# Altium PCB MFC-Card-Template.PcbDoc (part 2 of 4) (continued)
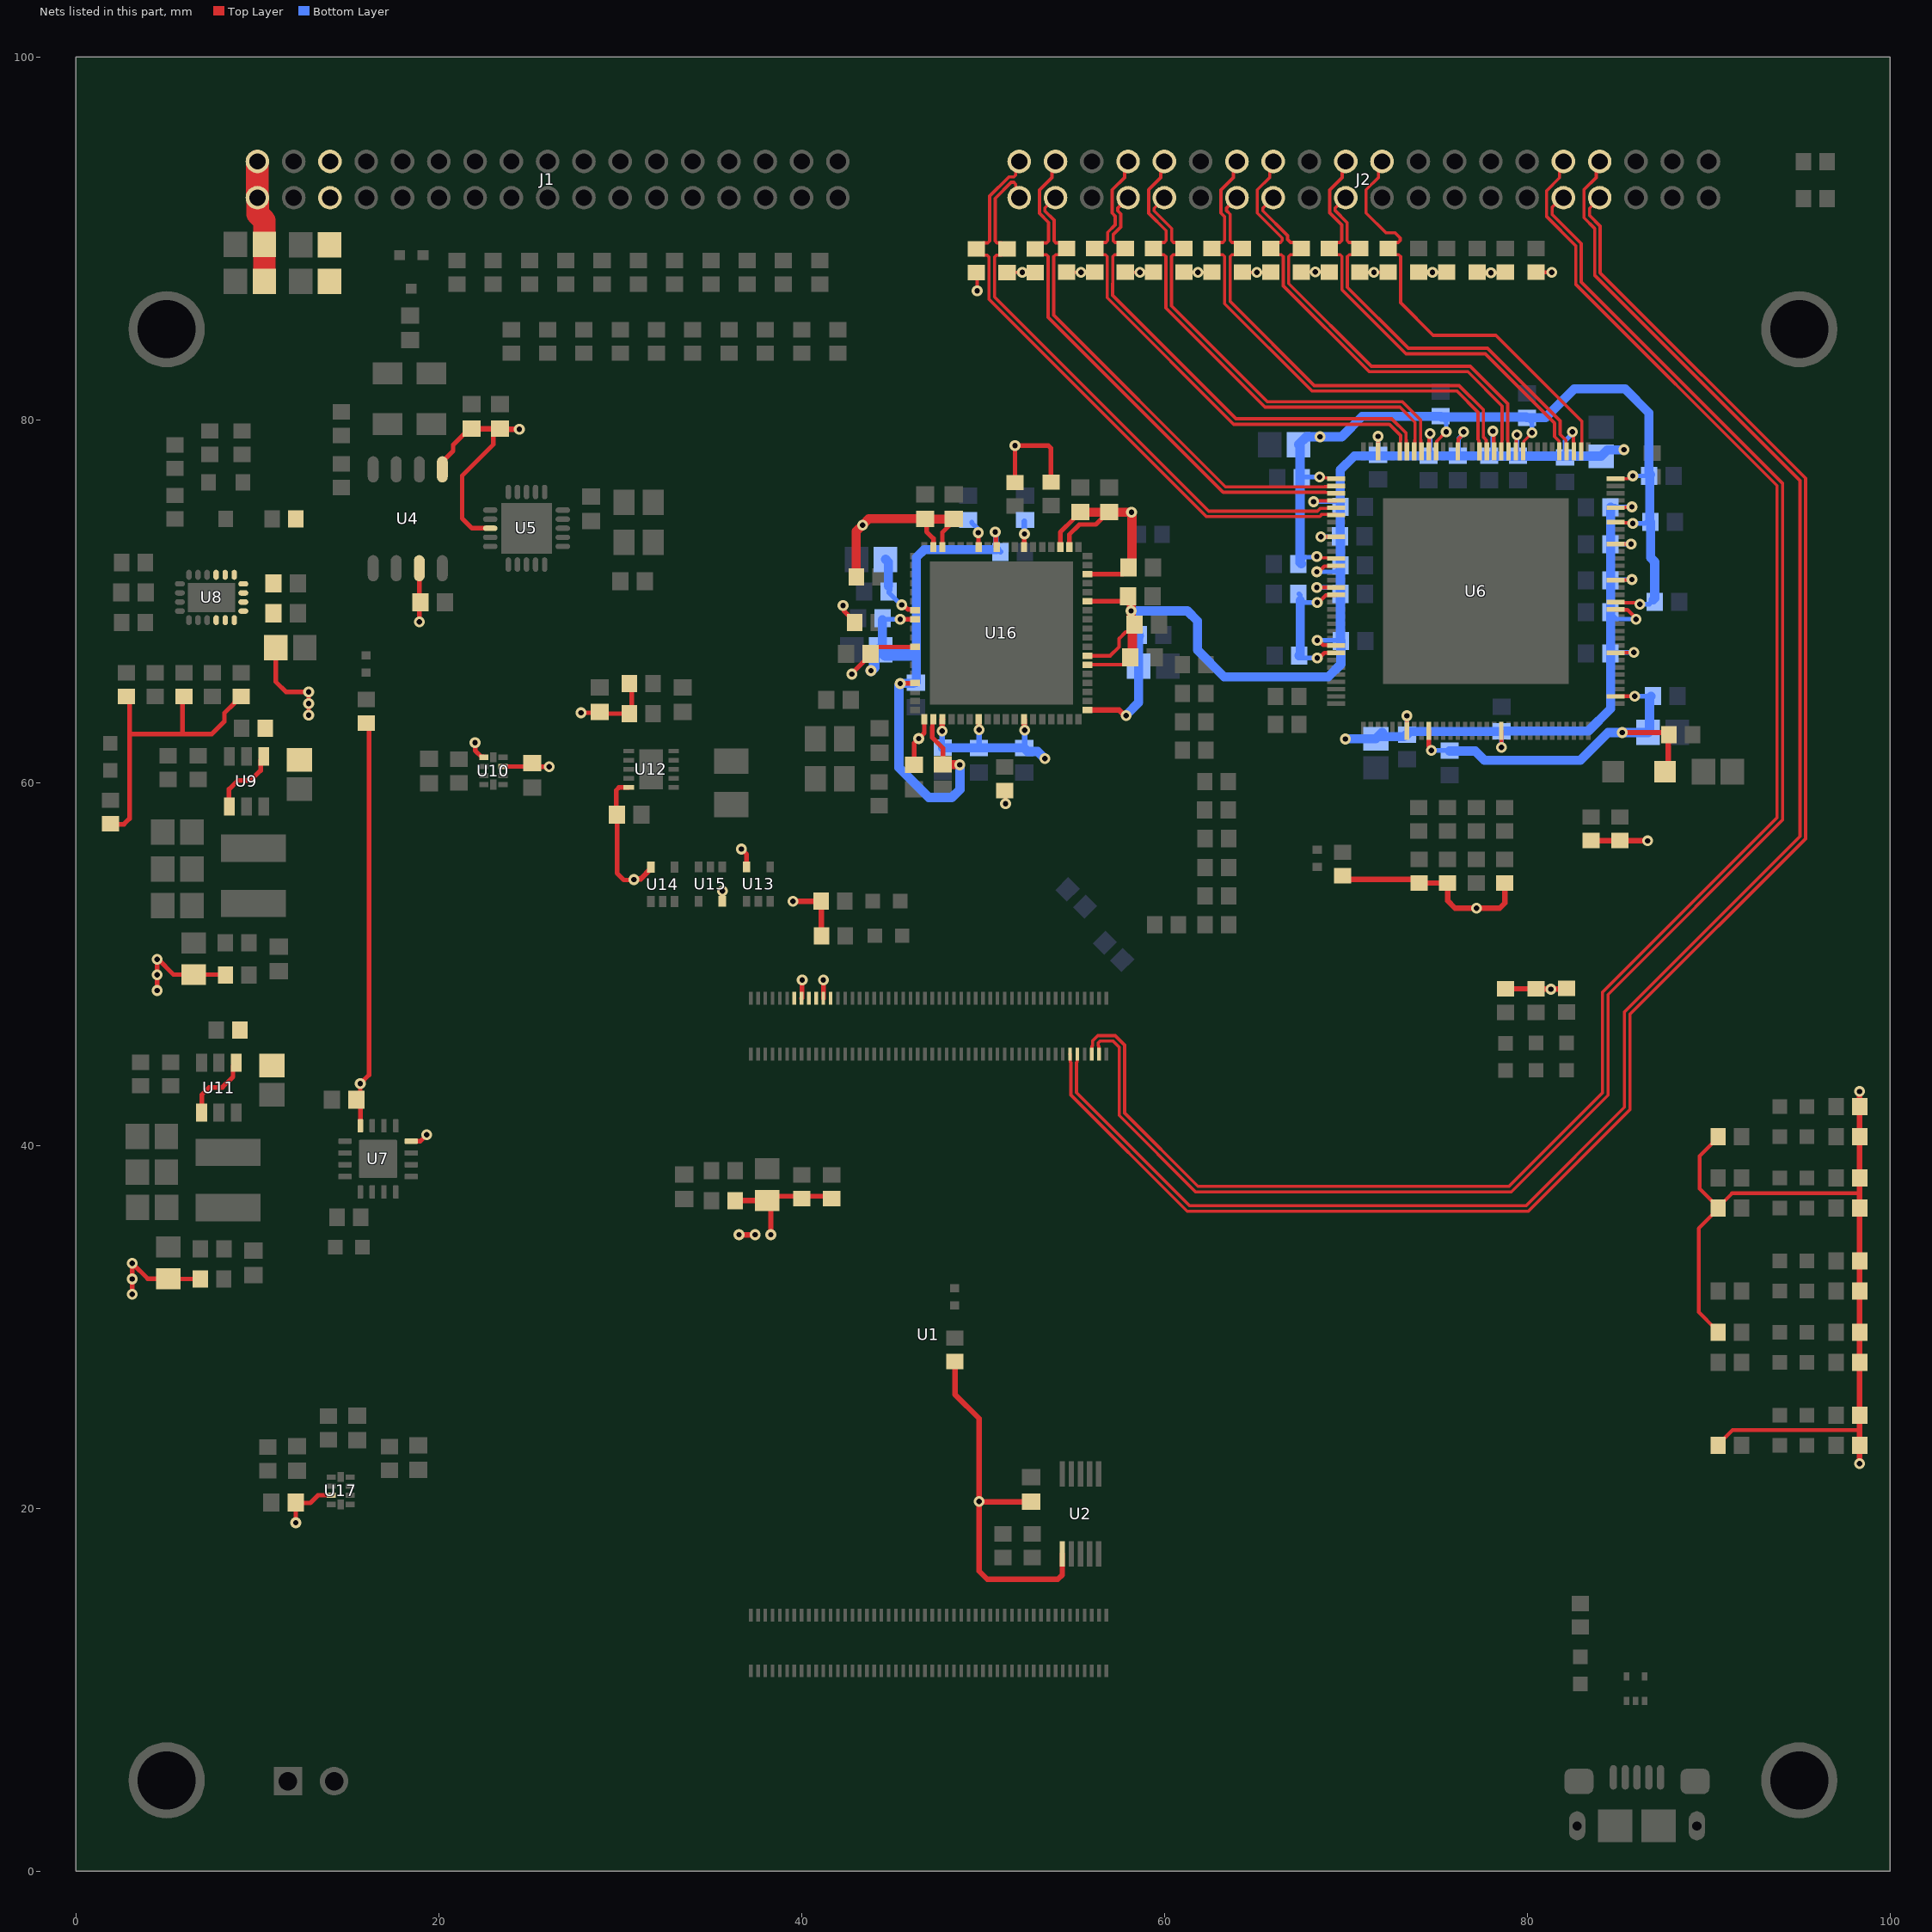
[diagram p4: the nets of this part, all layers, seen from the top]
## Part data (continued)
R115: library part ERJ-L06UF75MV, "RES 0.075 OHM 1% 1/4W 0805", Device Package="0805 (2012 Metric)", Manufacturer="Panasonic Electronic Components", Operating Temperature="-55°C ~ 125°C", Power (Watts)="0.25W, 1/4W", Ratings=AEC-Q200, Supplier Device Package=0805, Supplier Part Number 1=P75LLCT-ND, Temperature Coefficient=±100ppm/°C, Tolerance=±1%, ComponentLink1Description=Datasheet, ComponentLink1URL=https://industrial.panasonic.com/cdbs/www-data/pdf/RDN0000/AOA0000C313.pdf, ComponentLink2Description="DigiKey Link", ComponentLink2URL=http://digikey.com/product-detail/en/panasonic-electronic-components/ERJ-L06UF75MV/P75LLCT-ND/966124, Composition="Thick Film", Features="Automotive AEC-Q200, Current Sense", Height - Seated (Max)="0.028\" (0.70mm)", LastUpdated="9/2/2020 1:15:15 AM", Lifecycle Status=Active, Minimum Order=1, Number of Terminations=2, Package / Case="0805 (2012 Metric)", Packaging=TapeAndReel, PartId=31851, Part Number=ERJ-L06UF75MV, Part Status=Active, Price=0.09, Resistance="75 mOhms", Series=ERJ, Size / Dimension="0.079\" L x 0.049\" W (2.00mm x 1.25mm)", Supplier 1=DigiKey
R121 R122: library part RMCF0603FT4K70, "RES 4.7K OHM 1% 1/10W 0603", Device Package="0603 (1608 Metric)", Manufacturer="Stackpole Electronics Inc", Operating Temperature="-55°C ~ 155°C", Power (Watts)="0.1W, 1/10W", Ratings=AEC-Q200, Supplier Device Package=0603, Supplier Part Number 1=RMCF0603FT4K70CT-ND, Temperature Coefficient=±100ppm/°C, Tolerance=±1%, ComponentLink1Description=Datasheet, ComponentLink1URL=https://www.seielect.com/catalog/sei-rmcf_rmcp.pdf, ComponentLink2Description="DigiKey Link", ComponentLink2URL=http://digikey.com/product-detail/en/stackpole-electronics-inc/RMCF0603FT4K70/RMCF0603FT4K70CT-ND/1943033, Composition="Thick Film", Features="Automotive AEC-Q200", Height - Seated (Max)="0.022\" (0.55mm)", LastUpdated="9/2/2020 1:10:22 AM", Lifecycle Status=Active, Minimum Order=1, Number of Terminations=2, Package / Case="0603 (1608 Metric)", Packaging=CutTape, PartId=6078, Part Number=RMCF0603FT4K70, Part Status=Active, Price=0.10, Resistance="4.7 kOhms", Series=RMCF, Size / Dimension="0.061\" L x 0.031\" W (1.55mm x 0.80mm)", Supplier 1=DigiKey
R125 R126 R147: library part RMCF0603JT470R, "RES 470 OHM 5% 1/10W 0603", Device Package="0603 (1608 Metric)", Manufacturer="Stackpole Electronics Inc", Operating Temperature="-55°C ~ 155°C", Power (Watts)="0.1W, 1/10W", Ratings=AEC-Q200, Supplier Device Package=0603, Supplier Part Number 1=RMCF0603JT470RCT-ND, Temperature Coefficient=±200ppm/°C, Tolerance=±5%, ComponentLink1Description=Datasheet, ComponentLink1URL=https://www.seielect.com/catalog/sei-rmcf_rmcp.pdf, ComponentLink2Description="DigiKey Link", ComponentLink2URL=http://digikey.com/product-detail/en/stackpole-electronics-inc/RMCF0603JT470R/RMCF0603JT470RCT-ND/1943166, Composition="Thick Film", Features="Automotive AEC-Q200", Height - Seated (Max)="0.022\" (0.55mm)", LastUpdated="9/2/2020 1:10:23 AM", Lifecycle Status=Active, Minimum Order=1, Number of Terminations=2, Package / Case="0603 (1608 Metric)", Packaging=CutTape, PartId=5857, Part Number=RMCF0603JT470R, Part Status=Active, Price=0.10, Resistance="470 Ohms", Series=RMCF, Size / Dimension="0.061\" L x 0.031\" W (1.55mm x 0.80mm)", Supplier 1=DigiKey
R127 R128: library part RMCF0603JT510K, "RES 510K OHM 5% 1/10W 0603", Device Package="0603 (1608 Metric)", Manufacturer="Stackpole Electronics Inc", Operating Temperature="-55°C ~ 155°C", Power (Watts)="0.1W, 1/10W", Ratings=AEC-Q200, Supplier Device Package=0603, Supplier Part Number 1=RMCF0603JT510KCT-ND, Temperature Coefficient=±200ppm/°C, Tolerance=±5%, ComponentLink1Description=Datasheet, ComponentLink1URL=https://www.seielect.com/catalog/sei-rmcf_rmcp.pdf, ComponentLink2Description="DigiKey Link", ComponentLink2URL=http://digikey.com/product-detail/en/stackpole-electronics-inc/RMCF0603JT510K/RMCF0603JT510KCT-ND/6053186, Composition="Thick Film", Features="Automotive AEC-Q200", Height - Seated (Max)="0.022\" (0.55mm)", LastUpdated="9/2/2020 1:10:01 AM", Lifecycle Status=Active, Minimum Order=1, Number of Terminations=2, Package / Case="0603 (1608 Metric)", Packaging=CutTape, PartId=15991, Part Number=RMCF0603JT510K, Part Status=Active, Price=0.10, Resistance="510 kOhms", Series=RMCF, Size / Dimension="0.061\" L x 0.031\" W (1.55mm x 0.80mm)", Supplier 1=DigiKey
R130 R132: library part RMCF0603FT330R, "RES 330 OHM 1% 1/10W 0603", Device Package="0603 (1608 Metric)", Manufacturer="Stackpole Electronics Inc", Operating Temperature="-55°C ~ 155°C", Power (Watts)="0.1W, 1/10W", Ratings=AEC-Q200, Supplier Device Package=0603, Supplier Part Number 1=RMCF0603FT330RCT-ND, Temperature Coefficient=±100ppm/°C, Tolerance=±1%, ComponentLink1Description=Datasheet, ComponentLink1URL=https://www.seielect.com/catalog/sei-rmcf_rmcp.pdf, ComponentLink2Description="DigiKey Link", ComponentLink2URL=http://digikey.com/product-detail/en/stackpole-electronics-inc/RMCF0603FT330R/RMCF0603FT330RCT-ND/1942981, Composition="Thick Film", Features="Automotive AEC-Q200", Height - Seated (Max)="0.022\" (0.55mm)", LastUpdated="9/2/2020 1:10:13 AM", Lifecycle Status=Active, Minimum Order=1, Number of Terminations=2, Package / Case="0603 (1608 Metric)", Packaging=CutTape, PartId=10615, Part Number=RMCF0603FT330R, Part Status=Active, Price=0.10, Resistance="330 Ohms", Series=RMCF, Size / Dimension="0.061\" L x 0.031\" W (1.55mm x 0.80mm)", Supplier 1=DigiKey
R133: library part RMCF0603FT200R, "RES 200 OHM 1% 1/10W 0603", Device Package="0603 (1608 Metric)", Manufacturer="Stackpole Electronics Inc", Operating Temperature="-55°C ~ 155°C", Power (Watts)="0.1W, 1/10W", Ratings=AEC-Q200, Supplier Device Package=0603, Supplier Part Number 1=RMCF0603FT200RCT-ND, Temperature Coefficient=±100ppm/°C, Tolerance=±1%, ComponentLink1Description=Datasheet, ComponentLink1URL=https://www.seielect.com/catalog/sei-packaging.pdf, ComponentLink2Description="DigiKey Link", ComponentLink2URL=http://digikey.com/product-detail/en/stackpole-electronics-inc/RMCF0603FT200R/RMCF0603FT200RCT-ND/1942972, Composition="Thick Film", Features="Automotive AEC-Q200", Height - Seated (Max)="0.022\" (0.55mm)", LastUpdated="9/2/2020 1:10:13 AM", Lifecycle Status=Active, Minimum Order=1, Number of Terminations=2, Package / Case="0603 (1608 Metric)", Packaging=CutTape, PartId=10703, Part Number=RMCF0603FT200R, Part Status=Active, Price=0.10, Resistance="200 Ohms", Series=RMCF, Size / Dimension="0.061\" L x 0.031\" W (1.55mm x 0.80mm)", Supplier 1=DigiKey
R136 R137 R138: library part RMCF0603FT10K0, "RES 10K OHM 1% 1/10W 0603", Device Package="0603 (1608 Metric)", Manufacturer="Stackpole Electronics Inc", Operating Temperature="-55°C ~ 155°C", Power (Watts)="0.1W, 1/10W", Ratings=AEC-Q200, Supplier Device Package=0603, Supplier Part Number 1=RMCF0603FT10K0CT-ND, Temperature Coefficient=±100ppm/°C, Tolerance=±1%, ComponentLink1Description=Datasheet, ComponentLink1URL=https://www.seielect.com/catalog/sei-rmcf_rmcp.pdf, ComponentLink2Description="DigiKey Link", ComponentLink2URL=http://digikey.com/product-detail/en/stackpole-electronics-inc/RMCF0603FT10K0/RMCF0603FT10K0CT-ND/1943057, Composition="Thick Film", Features="Automotive AEC-Q200", Height - Seated (Max)="0.022\" (0.55mm)", LastUpdated="9/2/2020 1:09:31 AM", Lifecycle Status=Active, Minimum Order=1, Number of Terminations=2, Package / Case="0603 (1608 Metric)", Packaging=CutTape, PartId=25663, Part Number=RMCF0603FT10K0, Part Status=Active, Price=0.10, Resistance="10 kOhms", Series=RMCF, Size / Dimension="0.061\" L x 0.031\" W (1.55mm x 0.80mm)", Supplier 1=DigiKey
R139 R140 R141: library part TMP6131DECR, "SENSOR PTC 10KOHM 1% X1SON", Device Package="0402 (1006 Metric)", Manufacturer="Texas Instruments", Operating Temperature="-40°C ~ 125°C (TA)", Resistance Tolerance=±1%, Supplier Device Package="2-X1SON (1x.60)", Supplier Part Number 1=296-TMP6131DECRCT-ND, ComponentLink1Description=Datasheet, ComponentLink1URL=http://www.ti.com/general/docs/suppproductinfo.tsp?distId=10&gotoUrl=http%3A%2F%2Fwww.ti.com%2Flit%2Fgpn%2Ftmp61, ComponentLink2Description="DigiKey Link", ComponentLink2URL=http://digikey.com/product-detail/en/texas-instruments/TMP6131DECR/296-TMP6131DECRCT-ND/10435285, LastUpdated="9/2/2020 1:30:57 AM", Lifecycle Status=Active, Minimum Order=1, Mounting Type="Surface Mount", Package / Case="0402 (1006 Metric)", Packaging=TapeAndReel, Part Number=TMP6131DECR, Part Status=Active, Price=0.07, Resistance @ 25°C="10 kOhms", Series=Commercial, Supplier 1=DigiKey
U2: library part CMP-07103-000004-1, "IC USB SWITCH DPDT 10MSOP", Case/Package=MSOP, Current=100mA, Max Operating Temperature=85°C, Max Supply Voltage=4.3V, Min Operating Temperature=-40°C, Min Supply Voltage=3V, On-State Resistance=6.5R, Package Quantity=1, Data Rate=480Mbps, Height=0.85mm, Lead Free="Lead Free", Length=3mm, Mount="Surface Mount", Number of Channels=2, Number of Inputs=2, Number of Outputs=4, Number of Pins=10, Operating Supply Voltage=4.3V, Packaging="Tape and Reel", Radiation Hardening=No, REACH SVHC="No SVHC", Supply Type=Single, Throw Configuration=DPDT, Voltage=4.3V, Weight=0.1125g, Width=3mm
U3: library part CMP-0326-00052-4, "TVS DIODE 5.5V SOT5", Breakdown Voltage=11V, Capacitance=1.5pF, Case/Package=SOT-553, Clamping Voltage=105.5V, Leakage Current=1nA, Max Operating Temperature=85°C, Max Supply Current=100nA, Max Supply Voltage=5.5V, Min Operating Temperature=-40°C, Min Supply Voltage=900mV, Package Quantity=1, Peak Pulse Power=90W, Power Line Protection=Yes, Depth=1.2mm, Direction=Unidirectional, Height=0.55mm, Interface=USB, Lead Free="Lead Free", Length=1.6mm, Max Supply Voltage (DC)=5.5V, Min Breakdown Voltage=11V, Min Supply Voltage (DC)=900mV, Nominal Supply Current=1nA, Number of Bidirectional Channels=3, Number of Channels=3, Number of Pins=5, Packaging="Tape and Reel", Radiation Hardening=No, REACH SVHC="No SVHC", Reverse Standoff Voltage=5.5V, RoHS Compliant=Yes, Termination=SMD/SMT, Weight=9.9E-05oz, Width=1.2mm
U4: Supplier Part Number 1=296-44228-1-ND, Supplier 1=Digi-Key
U5: library part CMP-0186-00186-2, "IC CAN CTLR W/SPI 2.0B 20-QFN", Case/Package=QFN, Max Operating Temperature=85°C, Max Supply Current=10mA, Max Supply Voltage=5.5V, Min Operating Temperature=-40°C, Min Supply Voltage=2.7V, Package Quantity=3300, Contact Plating=Tin, Data Rate=1000Kbps, Interface=SPI, Lead Free="Lead Free", Mount="Surface Mount", Nominal Supply Current=10mA, Number of Pins=20, Number of Transceivers=1, Packaging="Tape and Reel", Radiation Hardening=No
U6: Supplier Part Number 1=KSZ9896CTXI-ND, Supplier 1=Digi-Key
U7: library part CMP-0704-00002-2, "Triple Channel Shunt and Bus Voltage Monitor, 120 dB, 2.7 to 5.5 V, -40 to 125 degC, 16-Pin VQFN (RGV), Green (RoHS & no Sb/Br), Tape and Reel", Manufacturer="Texas Instruments", Offset Voltage (max)="+/- 80 uV", Operating Supply Range="2.7 to 5.5 V", Quiescent Current (Typ)="350 uA", Rating=Catalog, Temperature Range="-40 to 125 degC", Voltage Input Range (Bus)="0 to 26 V", CMR (Typ)="120 dB", ComponentLink1Description="Manufacturer URL", ComponentLink1URL=http://www.ti.com/, ComponentLink2Description=Datasheet, ComponentLink2URL=http://www.ti.com/lit/ds/symlink/ina3221.pdf, ComponentLink3Description="Package Specification", ComponentLink3URL=http://www.ti.com/lit/ds/symlink/ina3221.pdf, DatasheetVersion=SBOS576A, Gain="1 V/V", Gain Error (max)=0.25%, Mounting Technology="Surface Mount", PackageDescription="16-Pin Quad Flat No-lead Package, Body 4 x 4 mm, Pitch 0.65 mm", PackageReference=RGV0016A, PackageVersion=SBOS576A, Packing="Tape and Reel", PartNumber=INA3221AIRGVT, RoHS=TRUE
U8: Supplier Part Number 1=296-40735-1-ND, Supplier 1=Digi-Key
U9 U11: Supplier Part Number 1=296-47088-1-ND, Supplier 1=Digi-Key
U10: Supplier Part Number 1=296-51660-1-ND, Supplier 1=Digi-Key
U12: library part CMP-10083-000009-1, "IC RTC CLK/CALENDAR I2C 10-SON", Ambient Temperature Range High=+85°C, Ambient Temperature Range Low=-40°C, Frequency=0.001/1.024/2.048/4.096/8.192/16.384/32.768kHz, Manufacturer="NXP Semiconductors", Max Supply Voltage=5.5V, Min Supply Voltage=0.9V, Nominal Supply Current=18uA, Package=SOT1197-1, Temperature="-40°C to +85°C", Automotive=No, Category=IC, ComponentLink2Description=Datasheet, ComponentLink2URL=https://www.nxp.com/docs/en/data-sheet/PCF85063A.pdf, Device Class L1="Integrated Circuits (ICs)", Device Class L2="Clock and Timing", Device Class L3="Real Time Clocks", Digikey Description="IC RTC CLK/CALENDAR I2C 10-SON", Footprint Url=https://www.nxp.com/docs/en/package-information/SOT1197-1.pdf, Height=0.5mm, Interface=I2C, Ipc Land Pattern Name=DFN260X260X50-10, Lead Free=Yes, Manufacturer Part Number=PCF85063ATL/1,118, Mouser Description="Tiny Real-Time Clock/calendar With Alarm Function And I2C-Bus Rohs Compliant: Yes", Number of Outputs=1, Octopart=https://octopart.com/pcf85063atl%2F1%2C118-nxp+semiconductors-27552710, RoHS=TRUE, Standoff Height=0mm, Temperature Range High=+85°C, Temperature Range Low=-40°C
U13 U14 U15: library part CMP-12739-000001-1, "IC BUF NON-INVERT 5.5V SOT353", Ambient Temperature Range High=+125°C, Ambient Temperature Range Low=-40°C, Manufacturer="Diodes Inc.", Max Junction Temp=+150°C, Max Supply Voltage=5.5V, Min Supply Voltage=1.65V, Nominal Supply Current=0.1uA, Package=SOT353, Temperature="-40°C to +125°C", Automotive=No, Category=IC, ComponentLink2Description=Datasheet, ComponentLink2URL=https://www.diodes.com/assets/Datasheets/74LVC1G07.pdf, Device Class L1="Integrated Circuits (ICs)", Device Class L2="Logic ICs", Device Class L3=Buffers, Digikey Description="IC BUF NON-INVERT 5.5V SOT353", Footprint Url=https://www.diodes.com/assets/Package-Files/SOT353.pdf, Height=1.1mm, Ipc Land Pattern Name=SOT65P210X100-5, Lead Free=Yes, Logic Function Desc=Non-Inverting, Manufacturer Part Number=74LVC1G07SE-7, Mouser Description="74LVC Series 5.5 V Surface Mount Single Buffer with Open Drain Output - SOT-353", Number Of Circuits=1, Number of Inputs=1, Number of Outputs=1, Octopart=https://octopart.com/74lvc1g07se-7-diodes+inc.-18882698, Propagation Delay=1.7ns, RoHS=TRUE, Standoff Height=0mm, Temperature Range High=+125°C, Temperature Range Low=-40°C
U16: Supplier Part Number 1=579-LAN7431/YXX, Supplier 1=Mouser
U17: Supplier Part Number 1=296-48346-1-ND, Supplier 1=Digi-Key
Y1: library part "TSX-3225 16.0000MF10U-B0", "CRYSTAL 16.00 MHZ 16.0PF SMD", ESR (Equivalent Series Resistance)="60 Ohms", Frequency Stability=±10ppm, Load Capacitance=16pF, Manufacturer=EPSON, Operating Mode=Fundamental, Operating Temperature="-10°C ~ 60°C", Package / Case="4-SMD, No Lead", Supplier Part Number 1=SER4370CT-ND, ComponentLink1Description=Datasheet, ComponentLink1URL=https://support.epson.biz/td/api/doc_check.php?dl=brief_TSX-3225&lang=en, ComponentLink2Description="DigiKey Link", ComponentLink2URL=http://digikey.com/product-detail/en/epson/TSX-3225-16.0000MF10U-B0/SER4370CT-ND/7932354, Frequency=16MHz, Frequency Tolerance=±10ppm, Height - Seated (Max)="0.024\" (0.60mm)", LastUpdated="9/2/2020 1:21:55 AM", Lifecycle Status=Active, Minimum Order=1, Mounting Type="Surface Mount", Packaging=TapeAndReel, PartId=436, Part Number="TSX-3225 16.0000MF10U-B0", Part Status=Active, Price=0.18, Series=TSX-3225, Size / Dimension="0.126\" L x 0.098\" W (3.20mm x 2.50mm)", Supplier 1=DigiKey, Type="MHz Crystal"
Y2: library part ABS07-166-32.768KHZ-T, "IOT 32.786KHZ XTAL", ESR (Equivalent Series Resistance)="70 kOhms", Frequency Tolerance=±10ppm, Load Capacitance=7pF, Manufacturer="Abracon LLC", Operating Mode=Fundamental, Operating Temperature="-40°C ~ 85°C", Package / Case="2-SMD, No Lead", Supplier Part Number 1=535-14514-1-ND, ComponentLink1Description=Datasheet, ComponentLink1URL=https://abracon.com/datasheets/ABS07-166-32.768kHz-T.pdf, ComponentLink2Description="DigiKey Link", ComponentLink2URL=http://digikey.com/product-detail/en/abracon-llc/ABS07-166-32.768KHZ-T/535-14514-1-ND/8827205, Frequency=32.768kHz, Height - Seated (Max)="0.035\" (0.90mm)", LastUpdated="9/2/2020 1:21:47 AM", Lifecycle Status=Active, Minimum Order=1, Mounting Type="Surface Mount", Packaging=TapeAndReel, PartId=384, Part Number=ABS07-166-32.768KHZ-T, Part Status=Active, Price=0.35, Series=ABS07, Size / Dimension="0.126\" L x 0.059\" W (3.20mm x 1.50mm)", Supplier 1=DigiKey, Type="kHz Crystal (Tuning Fork)"
Y3: library part "TSX-3225 25.0000MF20P-C0", "CRYSTAL 25.0000MHZ 18PF SMD", ESR (Equivalent Series Resistance)="40 Ohms", Frequency Stability=±20ppm, Frequency Tolerance=±10ppm, Load Capacitance=18pF, Manufacturer=EPSON, Operating Mode=Fundamental, Operating Temperature="-20°C ~ 85°C", Package / Case="4-SMD, No Lead", Supplier Part Number 1=SER4212CT-ND, ComponentLink1Description=Datasheet, ComponentLink1URL=https://support.epson.biz/td/api/doc_check.php?dl=brief_TSX-3225&lang=en, ComponentLink2Description="DigiKey Link", ComponentLink2URL=http://digikey.com/product-detail/en/epson/TSX-3225-25.0000MF20P-C0/SER4212CT-ND/7430967, Frequency=25MHz, Height - Seated (Max)="0.024\" (0.60mm)", LastUpdated="9/2/2020 1:21:54 AM", Lifecycle Status=Active, Minimum Order=1, Mounting Type="Surface Mount", Packaging=TapeAndReel, PartId=447, Part Number="TSX-3225 25.0000MF20P-C0", Part Status=Active, Price=0.18, Series=TSX-3225, Size / Dimension="0.126\" L x 0.098\" W (3.20mm x 2.50mm)", Supplier 1=DigiKey, Type="MHz Crystal"

## Free pads (board coordinates)
  round 4.2 hole 3.2: 11(5,5) 11(5,85) 11(95,5) 11(95,85)

## Via types
v1: diameter 0.6, hole 0.3, Top Layer to Bottom Layer, 682 vias

## Nets (pads, with @x,y where several pads share a name; then routed paths per layer and width w, separated by ;. In a path a pad name is that pad's centre, name@x,y a point inside that pad or via, vN(x,y) a via of type N, cw(c..) or ccw(c..) an arc to the next point about the centre after c; other vN are vias at no path point)
+1.2: C23.2 C24.2 C25.2 C26.2 C27.2 C28.2 C29.2 C30.2 C31.2 C32.2 C41.2 C42.2 C43.2 C44.2 C45.2 C46.2 C47.2 C48.2 C49.2 C50.2 C80.2 C81.2 C82.2 C84.2 C86.2 C87.2 C88.2 C101.2 R115.2 R119.2 U6.3 U6.11 U6.14 U6.19 U6.23 U6.30 U6.36 U6.41 U6.45 U6.48 U6.56 U6.71 U6.84 U6.104 U6.110 U6.114 U6.119 U6.124 U16.2 U16.24 U16.25 U16.31 U16.46 U16.62 U16.69 | length 159.9
  Top Layer w0.203: U16.62@46.256,68.993 U16.62@46.262,69 ; U16.46@50.718,73.044 U16.46@50.762,73 ; U16.25@55.762,67 57.017,67 57.496,67.478 57.496,67.935 57.869,68.309 58.006,68.309 58.064,68.367 C87.2@58.064,68.504 ; U16.24@55.836,66.426 U16.24@55.762,66.5 55.768,66.505 57.92,66.505 C101.2@57.963,66.548 ; v1(68.224,75.489) 68.271,75.536 69.452,75.536 U6.36@69.475,75.559 ; v1(68.402,70.764) 68.405,70.762 69.472,70.762 U6.48@69.475,70.759 ; v1(68.402,71.628) 68.51,71.628 68.817,71.936 69.452,71.936 U6.45@69.475,71.959 ; v1(68.428,67.843) 68.484,67.843 68.745,67.583 69.452,67.583 U6.56@69.475,67.559 ; v1(68.631,73.558) U6.41@69.475,73.559 ; U6.30@71.775,78.259 71.778,78.262 71.778,79.093 v1(71.78,79.096) ; U6.71@73.375,62.859 v1(73.375,63.686) ; U6.23@74.575,78.259 74.598,78.283 74.598,79.196 v1(74.651,79.248) ; U6.19@76.175,78.259 76.198,78.283 76.198,78.936 76.505,79.242 v1(76.505,79.35) ; v1(78.108,79.375) 78.152,79.331 78.152,78.283 U6.14@78.175,78.259 ; U6.84@78.575,62.859 78.581,62.853 78.581,61.957 v1(78.588,61.951) ; U6.11@79.375,78.259 79.398,78.283 79.398,79.128 v1(79.442,79.172) ; v1(82.497,79.35) 82.552,79.295 82.552,78.283 U6.3@82.575,78.259 ; U6.104@84.875,67.159 84.887,67.171 85.866,67.171 v1(85.877,67.183) ; U6.110@84.875,69.559 84.898,69.536 85.531,69.536 86.004,69.063 v1(86.004,69.012) ; U6.114@84.875,71.159 84.896,71.18 85.755,71.18 v1(85.775,71.2) ; U6.119@84.875,73.159 84.879,73.156 85.721,73.156 v1(85.725,73.152) ; U6.124@84.875,75.159 84.898,75.183 85.749,75.183 v1(85.776,75.209)
  Top Layer w0.254: v1(3.099,31.801) v1(3.099,32.639) v1(3.099,33.503) 3.948,32.653 R115.2@5.08,32.653 5.094,32.639 R119.2@6.843,32.639 ; v1(45.434,65.464) 45.452,65.482 46.244,65.482 U16.69@46.262,65.5 ; v1(45.441,69.012) 45.447,69.006 46.243,69.006 U16.62@46.256,68.993 ; U16.2@47.262,63.5 47.214,63.452 47.214,63.085 47.198,63.069 47.198,62.497 47.803,61.892 47.803,61.075 47.727,61 C84.2@47.777,61 ; U16.46@50.718,73.044 v1@50.718,73.787 ; U16.31@55.762,70 57.717,70 C86.2@57.999,70.282
  Top Layer w0.508: C84.2@47.854,61.011 47.872,60.993 48.71,60.993 v1(48.717,60.985) ; C86.2@57.999,70.282 58.177,70.104 v1@58.177,69.469 ; v1(58.166,69.469) v1@58.177,69.469 ; C101.2@58.242,67.132 58.24,67.134 58.24,68.367 58.24,68.593 C87.2@58.355,68.707 ; C87.2@58.318,68.682 58.177,68.823 v1@58.177,69.469
  Bottom Layer w0.254: C81.2@44.592,68.986 44.617,69.012 v1(45.441,69.012) ; v1(68.224,75.489) 69.393,75.489 C28.2@69.444,75.54 ; v1(68.402,70.764) 69.494,70.764 C47.2@69.621,70.637 ; v1(68.402,71.628) 69.444,71.628 C48.2@69.596,71.78 ; v1(68.428,67.843) 69.658,67.843 C46.2@69.734,67.767 ; v1(68.631,73.558) C27.2@69.545,73.558 ; v1(71.78,79.096) 71.78,78.207 C29.2@71.831,78.156 ; v1(73.375,63.686) 73.375,62.744 C44.2@73.381,62.738 ; C49.2@74.574,78.029 74.651,78.105 v1(74.651,79.248) ; C30.2@76.175,78.13 76.225,78.181 76.225,78.977 76.505,79.256 v1(76.505,79.35) ; v1(78.108,79.375) 78.108,78.091 C31.2@78.13,78.069 ; v1(78.588,61.951) C45.2@78.588,62.84 ; C50.2@79.375,78.156 79.442,78.223 v1(79.442,79.172) ; C32.2@82.093,77.942 82.093,78.852 82.497,79.256 v1(82.497,79.35) ; C23.2@84.06,78.004 C23.2@84.074,77.991 ; C43.2@84.597,67.132 84.647,67.183 v1(85.877,67.183) ; C26.2@84.607,71.145 84.662,71.2 v1(85.775,71.2) ; C42.2@84.709,69.273 84.709,69.23 84.92,69.02 85.996,69.02 v1(86.004,69.012) ; C25.2@84.709,73.152 v1(85.725,73.152) ; C24.2@84.836,75.242 84.869,75.209 v1(85.776,75.209)
  Bottom Layer w0.305: v1(50.673,73.812) 50.702,73.783 50.702,72.981 C82.2@50.963,72.72
  Bottom Layer w0.508: C80.2@44.069,67.043 C80.2@44.361,67.335 ; C80.2@44.451,67.335 C81.2@44.451,68.973 ; v1@45.415,65.469 45.415,65.481 C88.2@46.152,65.481 ; v1(45.434,65.464) 45.434,65.439 45.364,65.369 45.364,60.833 47.015,59.182 48.285,59.182 48.73,59.626 48.73,60.973 v1(48.717,60.985) ; C88.2@46.304,65.521 46.33,65.547 46.33,67.081 46.33,72.415 46.761,72.847 C82.2@50.749,72.847 ; v1(58.166,69.469) 61.265,69.469 61.824,68.91 61.824,67.31 63.297,65.837 69.037,65.837 69.734,66.533 69.734,67.767 C46.2@69.734,67.818 ; C27.2@69.683,73.584 69.708,73.558 C48.2@69.708,71.984 69.708,71.755 69.708,71.653 69.708,70.764 C47.2@69.708,70.409 C46.2@69.708,67.88 ; C27.2@69.698,73.635 69.698,75.54 69.698,75.565 69.698,77.241 70.474,78.018 71.78,78.018 C49.2@74.574,78.018 ; v1(69.977,62.408) 69.99,62.42 C41.2@71.653,62.42 C41.2@71.769,62.536 ; C41.2@72.009,62.776 C41.2@71.769,62.536 ; C44.2@73.304,62.636 73.204,62.536 C41.2@71.769,62.536 ; C44.2@73.381,62.651 73.557,62.827 C45.2@78.524,62.827 ; C49.2@74.752,78.054 74.788,78.018 C30.2@76.175,78.018 C31.2@77.902,78.018 ; C31.2@78.181,78.004 79.375,78.004 82.093,78.004 82.373,78.004 C23.2@84.06,78.004 ; C45.2@78.715,62.84 83.363,62.84 84.597,64.073 C43.2@84.597,67.132 84.597,69.19 C42.2@84.597,69.393 C26.2@84.597,71.145 C25.2@84.597,73.152 C24.2@84.597,75.184 ; C23.2@84.074,77.991 84.425,78.341 85.326,78.341 v1(85.344,78.359)
  Bottom Layer w0.6: v1(43.823,66.18) 44.011,66.368 44.011,66.985 C80.2@44.069,67.043
  Bottom Layer w0.7: C80.2@44.361,67.335 44.615,67.081 46.2,67.081
+2.5: C33.2 C34.2 C35.2 C36.2 C37.2 C38.2 C39.2 C40.2 C83.2 C85.2 C94.2 C95.2 R22.2 R23.2 R24.2 R25.2 R26.2 R27.2 R28.2 R29.2 R30.2 R31.2 R32.2 R33.2 R34.2 R35.2 R36.2 R37.2 R38.2 R39.2 R40.2 R41.2 R108.2 R113.2 U6.10 U6.22 U6.33 U6.44 U6.111 U6.122 U6.128 U16.1 U16.34 U16.38 U16.39 | length 91.3
  Top Layer w0.17: R22.2@51.41,88.138 v1(52.172,88.138) R25.2@52.959,88.138 ; R24.2@54.585,88.148 54.595,88.138 56.124,88.138 R27.2@56.134,88.148 ; R26.2@57.77,88.138 59.299,88.138 R29.2@59.309,88.148 ; R28.2@60.935,88.148 60.945,88.138 62.474,88.138 R31.2@62.484,88.148 ; R30.2@64.11,88.148 64.12,88.138 65.649,88.138 R33.2@65.659,88.148 ; R32.2@67.35,88.163 v1(68.326,88.163) 69.164,88.163 R35.2@69.19,88.138 ; v1(68.402,72.466) 68.469,72.399 69.435,72.399 U6.44@69.475,72.359 ; v1(68.555,76.86) 68.616,76.799 69.435,76.799 U6.33@69.475,76.759 ; R34.2@70.46,88.148 70.47,88.138 71.999,88.138 R37.2@72.009,88.148 ; R36.2@73.635,88.148 73.645,88.138 v1(74.778,88.138) 75.463,88.138 R39.2@75.489,88.113 ; U6.22@74.975,78.259 75.015,78.299 75.015,78.825 v1(75.54,79.35) ; R38.2@77.216,88.113 v1(78.003,88.113) R41.2@78.816,88.113 ; U6.10@79.775,78.259 79.815,78.299 79.815,78.821 79.838,78.844 79.838,78.847 80.264,79.273 v1(80.264,79.299) ; U6.111@84.875,69.959 84.915,69.919 86.135,69.919 v1(86.211,69.844) ; U6.122@84.875,74.359 84.907,74.327 85.794,74.327 v1(85.827,74.295) ; U6.128@84.875,76.759 85.571,76.759 85.724,76.911 v1(85.827,76.911)
  Top Layer w0.203: v1(49.682,87.122) R23.2@49.682,88.123 ; R40.2@80.457,88.148 R40.2@80.467,88.138 ; R40.2@80.481,88.148 80.491,88.138 v1(81.356,88.138)
  Top Layer w0.254: v1(4.47,48.539) v1(4.47,50.267) 4.521,50.267 5.371,49.417 R108.2@6.477,49.417 8.226,49.417 R113.2@8.24,49.403 ; C83.2@46.203,60.975 46.203,62.179 v1(46.457,62.433) 46.762,62.739 U16.1@46.762,63.5 ; U16.39@54.229,72.974 54.262,73.008 54.262,73.806 54.999,74.542 54.999,74.592 55.322,74.915 C95.2@55.372,74.915 ; U16.38@54.762,73 54.762,73.685 55.31,74.233 56.215,74.233 56.653,74.671 C94.2@56.653,74.915 ; U16.34@55.762,71.5 57.701,71.5 C85.2@58.024,71.823
  Top Layer w0.508: C95.2@55.423,74.905 55.434,74.915 56.653,74.915 C94.2@56.947,74.915 56.952,74.91 58.186,74.91 v1(58.191,74.905) 58.191,74.88 58.217,74.854 C85.2@58.217,71.933
  Bottom Layer w0.254: C38.2@67.579,76.784 67.579,76.77 67.669,76.86 v1(68.555,76.86) ; C37.2@67.615,72.288 67.615,72.298 67.749,72.433 68.369,72.433 v1(68.402,72.466) ; C39.2@75.235,80.199 75.54,79.894 v1(75.54,79.35) ; C40.2@80.117,79.99 80.264,79.843 v1(80.264,79.299) ; v1(85.827,74.295) 86.487,74.295 C35.2@86.665,74.473 ; v1(85.827,76.911) C34.2@86.726,76.911 C34.2@86.739,76.898 ; v1(86.211,69.844) 86.731,69.844 C36.2@86.864,69.977
  Bottom Layer w0.508: C33.2@67.399,78.638 67.831,79.07 v1(68.58,79.07) 69.774,79.07 70.902,80.199 C39.2@75.235,80.199 75.273,80.161 75.463,80.161 79.947,80.161 C40.2@79.985,80.122 81.011,80.122 82.601,81.712 85.395,81.712 86.716,80.391 86.716,77.064 C34.2@86.792,76.987 ; C33.2@67.476,78.576 67.476,76.77 67.476,72.137 C37.2@67.553,72.06 ; C34.2@86.739,76.898 86.765,76.873 C35.2@86.765,74.424 ; C35.2@86.803,74.371 86.803,72.405 87.031,72.176 87.031,70.166 C36.2@86.944,70.079
  other v1: 4.47,49.403 55.397,88.138 58.649,88.138 61.849,88.138 65.1,88.138 71.552,88.138
+3.3: C10.2 C11.2 C12.2 C16.2 C18.2 C19.2 C20.2 C21.2 C22.2 C52.2 C59.2 C70.2 C73.2 C74.2 C75.2 C76.2 C77.2 C78.2 C79.2 C91.2 C92.2 C93.2 C96.2 C100.2 D9.2 R51.2 R52.2 R53.2 R54.2 R55.2 R56.2 R57.2 R58.2 R59.2 R60.2 R61.2 R67.2 R68.2 R80.1 R81.1 R82.1 R86.1 R87.1 R88.1 R90.1 R93.2 R99.2 R121.2 R122.2 R123.1 R124.1 R125.2 R126.2 R129.2 R130.1 R131.2 R132.2 R135.2 R136.2 R137.2 R138.2 R147.2 U2.1 U4.5 U5.18 U6.49 U6.57 U6.74 U6.98 U7.4 U7.16 U10.1 U10.8 U12.10 U13.5 U14.5 U16.3 U16.7 U16.12 U16.19 U16.43 U16.48 U16.52 U16.53 U16.61 U16.65 U17.8 | length 231.2
  Top Layer w0.203: v1(68.428,66.878) 68.535,66.878 68.816,67.159 U6.57@69.475,67.159 ; v1(68.428,69.926) 68.494,69.926 68.903,70.336 69.452,70.336 U6.49@69.475,70.359 ; U6.98@84.875,64.759 84.88,64.765 85.923,64.765 v1(85.928,64.77) ; R82.1@90.399,29.54 90.399,29.873 89.459,30.813 89.459,35.43 90.529,36.501 R81.1@90.529,36.551 90.529,36.601 91.292,37.363 98.323,37.363 ; R81.1@90.449,36.449 90.449,36.68 89.51,37.62 89.51,39.418 90.529,40.438 R80.1@90.529,40.488 R80.1@90.526,40.491 ; R86.1@90.529,23.47 90.529,23.52 91.317,24.308 98.323,24.308
  Top Layer w0.254: C96.2@12.103,20.308 C96.2@12.116,20.295 ; v1(12.116,19.202) C96.2@12.116,20.295 ; U17.8@14.063,20.716 13.337,20.716 12.916,20.295 C96.2@12.116,20.295 ; U7.4@15.677,41.087 15.677,42.303 C52.2@15.463,42.517 15.672,42.726 v1(15.672,43.409) 16.154,43.891 16.154,63.322 R136.2@16.129,63.348 ; U7.16@18.477,40.237 18.48,40.234 18.974,40.234 v1(19.329,40.589) ; U4.5@20.193,77.274 20.193,77.699 20.789,78.295 20.789,78.625 21.547,79.383 21.68,79.383 C12.2@21.81,79.513 ; v1(21.996,62.205) 22.005,62.196 22.005,61.775 22.364,61.416 22.464,61.416 U10.1@22.487,61.393 ; U5.18@22.834,74.026 21.834,74.026 21.288,74.573 21.288,76.923 23.004,78.64 23.004,79.19 C16.2@23.327,79.513 ; U10.8@23.537,60.893 24.964,60.893 C59.2@25.159,61.088 25.363,60.884 v1(26.086,60.884) ; C70.2@29.782,58.243 29.782,59.59 29.931,59.739 30.467,59.739 U12.10@30.469,59.741 ; C70.2@29.826,58.243 29.826,55.01 30.201,54.635 v1@30.734,54.635 ; v1(36.678,56.337) 36.967,56.047 U13.5@36.967,55.357 ; R93.2@38.151,37.16 38.187,37.196 40.005,37.196 R122.2@41.656,37.196 ; v1(42.286,69.76) 42.352,69.694 42.352,69.453 42.921,68.884 R131.2@42.921,68.834 ; v1(42.774,65.989) 42.774,66.026 43.804,67.057 43.804,67.157 44.127,67.48 46.243,67.48 U16.65@46.262,67.5 ; v1(43.358,74.193) 43.358,74.198 v1@43.383,74.223 ; v1(45.517,69.799) 45.61,69.799 45.862,69.548 46.214,69.548 U16.61@46.262,69.5 ; C93.2@46.888,74.549 46.838,74.549 46.888,74.498 46.888,73.838 47.269,73.457 47.269,73.007 U16.53@47.262,73 ; U16.52@47.762,73 47.762,73.797 48.438,74.473 C92.2@48.514,74.473 ; v1(49.733,73.787) 49.748,73.772 49.748,73.014 U16.48@49.762,73 ; R129.2@51.232,59.563 51.242,59.553 v1(51.242,58.847) ; R135.2@51.765,76.545 51.765,78.511 v1@51.791,78.537 ; v1(51.765,78.588) 53.598,78.588 53.746,78.439 R130.1@53.746,76.571 ; U16.43@52.262,73 52.273,73.01 52.273,73.7 v1(52.284,73.711) ; U6.74@74.575,62.859 74.577,62.857 74.577,62.016 74.727,61.866 v1(74.727,61.773)
  Top Layer w0.305: C12.2@21.81,79.513 C16.2@23.327,79.513 ; C16.2@23.377,79.513 23.414,79.477 v1(24.435,79.477) ; v1(30.759,54.661) 30.789,54.69 31.128,54.69 31.695,55.257 U14.5@31.695,55.347 ; R99.2@36.337,36.957 36.351,36.971 R93.2@38.1,36.971 38.303,36.768 v1(38.303,35.077) ; v1(36.551,35.077) v1(37.44,35.077) ; v1(39.522,53.467) R124.1@41.082,53.467 41.088,53.461 41.088,51.568 R123.1@41.094,51.562 ; v1(47.752,62.84) 47.757,62.845 47.757,63.494 U16.3@47.762,63.5 ; R137.2@48.412,28.143 48.463,28.092 48.463,26.264 49.784,24.943 v1(49.784,20.371) v1@49.784,20.356 ; U16.7@49.762,63.5 49.773,63.489 49.773,62.926 v1(49.784,62.916) ; v1@49.795,20.345 v1@49.784,20.356 ; U16.12@52.262,63.5 52.277,63.485 52.277,62.905 v1(52.291,62.89) ; C11.2@52.654,20.356 v1@49.784,20.356 ; U2.1@54.372,17.485 54.372,16.328 54.122,16.078 50.241,16.078 49.784,16.535 v1@49.784,20.356 ; U16.19@55.762,64 57.51,64 57.807,63.703 v1(57.887,63.703) ; R138.2@69.799,54.864 69.997,54.666 73.843,54.666 R87.1@74.041,54.468 ; R87.1@74.092,54.458 74.102,54.468 R88.1@75.616,54.468 75.616,53.492 76.022,53.086 v1(77.216,53.086) 78.486,53.086 78.765,53.365 R90.1@78.765,54.468 ; R125.2@78.816,48.633 78.82,48.637 R126.2@80.497,48.637 ; R126.2@80.493,48.641 R126.2@80.497,48.637 ; R147.2@82.169,48.656 82.149,48.636 81.326,48.636 v1(81.305,48.616) 81.293,48.628 80.505,48.628 R126.2@80.497,48.637 ; R58.2@83.515,56.805 R57.2@85.115,56.805 85.121,56.8 86.634,56.8 v1(86.639,56.794) ; v1@85.268,62.763 87.698,62.763 R61.2@87.823,62.638 87.782,62.598 87.782,60.785 87.778,60.785 D9.2@87.599,60.606 ; v1(98.323,22.454) 98.326,22.457 98.326,23.467 R68.2@98.329,23.47 98.329,24.308 R67.2@98.329,25.121 R60.2@98.329,28.042 R59.2@98.329,29.693 R56.2@98.329,31.979 R55.2@98.329,33.63 R54.2@98.329,36.551 R53.2@98.329,38.202 R52.2@98.329,40.488 R51.2@98.329,42.139 98.326,42.142 98.326,42.974 v1(98.323,42.977)
  Top Layer w0.508: R132.2@43.013,71.349 43.013,73.853 43.383,74.223 43.709,74.549 C93.2@46.838,74.549 ; C93.2@46.99,74.574 47.03,74.534 C92.2@48.387,74.534
  Bottom Layer w0.254: C74.2@44.795,70.536 44.795,70.486 45.481,69.799 v1(45.517,69.799) ; C74.2@44.882,70.612 C74.2@44.882,70.841 ; C75.2@49.378,74.371 49.378,74.33 49.694,74.014 49.694,73.826 v1(49.733,73.787) ; C22.2@67.426,70.409 67.502,70.333 67.502,69.926 v1(68.428,69.926) ; C21.2@67.488,66.904 67.513,66.878 v1(68.428,66.878) ; v1(74.727,61.773) 75.565,61.773 C20.2@75.59,61.798 ; v1(85.928,64.77) C19.2@86.828,64.77
  Bottom Layer w0.305: v1(47.752,62.84) 47.752,61.951 C100.2@47.777,61.925 ; C79.2@49.779,61.92 49.784,61.925 v1(49.784,62.916) ; C78.2@52.273,61.914 52.291,61.932 v1(52.291,62.89) ; C10.2@52.273,74.422 52.284,74.411 v1(52.284,73.711) ; C77.2@58.583,68.057 C77.2@58.583,68.148
  Bottom Layer w0.508: C73.2@44.628,72.314 44.78,72.161 C74.2@44.78,70.841 ; C100.2@47.777,61.925 47.783,61.92 49.779,61.92 C78.2@52.202,61.92 ; C78.2@52.273,61.914 52.469,61.718 53.004,61.718 53.386,61.336 v1(53.411,61.336) ; v1(57.887,63.703) 57.887,63.728 58.583,64.425 58.583,68.057 C77.2@58.623,68.097 ; C21.2@67.426,67.005 67.49,67.069 C22.2@67.49,70.036 ; C20.2@75.717,61.762 75.732,61.747 77.14,61.747 77.648,61.239 82.931,61.239 84.457,62.765 85.241,62.765 v1(85.242,62.763) ; v1@85.242,62.765 C18.2@86.672,62.765 86.75,62.843 86.75,64.692 C19.2@86.828,64.77
+5: C13.2 C54.2 C55.2 C60.2 C65.2 C71.1 R95.2 R96.2 R97.2 R110.2 R116.2 R127.2 R128.2 R145.1 U1.77 U1.79 U1.81 U1.83 U1.85 U1.87 U4.3 U8.4 U8.5 U8.6 U8.7 U8.8 U9.1 U9.4 U11.1 U11.4 U15.5 | length 40.6
  Top Layer w0.254: R145.1@1.888,57.73 1.91,57.709 2.642,57.709 2.946,58.014 2.946,62.687 ; R95.2@2.769,64.755 2.946,64.577 2.946,62.687 ; R96.2@5.944,64.755 5.867,64.679 5.867,62.687 ; U11.1@6.924,41.805 6.934,41.815 6.934,42.799 7.341,43.205 8.07,43.205 8.651,43.786 8.651,44.382 U11.4@8.824,44.555 ; U9.1@8.448,58.696 8.433,58.711 8.433,59.639 8.915,60.122 9.627,60.122 10.175,60.67 10.175,61.273 U9.4@10.348,61.446 ; R97.2@9.093,64.755 9.043,64.755 8.745,64.457 8.745,64.407 8.179,63.841 8.179,63.373 7.493,62.687 5.867,62.687 ; C55.2@11.011,67.437 11.011,65.57 11.582,64.999 v1(12.827,64.999) v1(12.827,64.364) v1(12.827,63.729) ; v1(18.923,68.859) 18.923,69.879 C13.2@18.98,69.936 18.923,69.994 U4.3@18.923,71.824 ; v1(27.838,63.856) 28.844,63.856 C71.1@28.88,63.892 28.967,63.805 R127.2@30.516,63.805 30.632,63.921 30.632,65.339 R128.2@30.516,65.456 ; U15.5@35.626,53.457 35.631,53.462 35.631,54.021 v1(35.636,54.026) ; U1.85@40,48.111 40.015,48.126 40.015,49.108 v1(40.03,49.124) ; U1.79@41.199,48.112 v1(41.199,49.124) ; 2.946,62.687 5.867,62.687
+5_Supply: C3.2 C4.2 C53.2 J1.5 J1.6 R94.2 U8.9 U8.10 U8.11 U8.12 U8.13
+12_Supply: C1.2 C2.2 J1.1 J1.2 | length 6.8
  Top Layer w1.25: J1.2@10,94.25 J1.1@10,92.25 10.01,92.24 10.01,91.362 10.383,90.989 C1.2@10.383,89.665 C2.2@10.383,87.633
ETH1_RX_N: J2.32 U1.6 | length 97.7
  Top Layer w0.176: U1.6@56,45.031 56.012,45.043 56.012,45.467 56.048,45.504 56.048,45.775 56.329,46.057 57.293,46.057 57.813,45.536 57.813,41.784 61.85,37.747 79,37.747 84.155,42.902 84.155,48.447 93.774,58.066 93.774,76.384 82.677,87.48 82.677,89.601 81.077,91.201 81.077,92.637 81.785,93.346 81.785,94.035 J2.32@82,94.25
ETH1_RX_P: J2.31 U1.4 | length 95.7
  Top Layer w0.176: U1.4@56.4,45.031 56.388,45.043 56.388,45.467 56.352,45.504 56.352,45.65 56.455,45.753 57.168,45.753 57.51,45.411 57.51,41.659 61.725,37.444 79.126,37.444 84.458,42.776 84.458,48.321 94.077,57.94 94.077,76.509 82.98,87.606 82.98,89.726 81.38,91.327 81.38,91.722 81.908,92.25 J2.31@82,92.25
ETH1_TX_N: J2.34 U1.10 | length 98.6
  Top Layer w0.176: U1.10@55.2,45.031 55.188,45.019 55.188,44.595 55.152,44.558 55.152,42.911 61.382,36.681 79.944,36.681 85.366,42.103 85.366,47.361 95.044,57.038 95.044,76.656 83.72,87.98 83.72,90.558 83.134,91.144 83.134,92.695 83.804,93.365 83.804,94.054 J2.34@84,94.25
ETH1_TX_P: J2.33 U1.12 | length 97.5
  Top Layer w0.176: U1.12@54.8,45.031 54.812,45.019 54.812,44.595 54.848,44.558 54.848,42.785 61.256,36.377 80.07,36.377 85.67,41.977 85.67,47.235 95.347,56.913 95.347,76.782 84.023,88.106 84.023,90.684 83.438,91.269 83.438,91.665 84,92.227 J2.33@84,92.25
ETH2_RX_N: J2.2 R23.1 U6.38 | length 33.4
  Top Layer w0.176: J2.2@52,94.25 51.804,94.054 51.804,93.505 51.701,93.402 51.429,93.402 50.369,92.342 50.369,89.863 50.266,89.76 50.019,89.76 49.682,89.423 50.019,89.086 50.23,89.086 50.333,88.983 50.333,86.652 62.315,74.67 68.564,74.67 68.691,74.798 68.837,74.798 68.839,74.796 69.438,74.796 U6.38@69.475,74.759
ETH2_RX_P: J2.1 R22.1 U6.37 | length 32.5
  Top Layer w0.176: J2.1@52,92.25 51.804,92.446 51.804,92.995 51.701,93.098 51.555,93.098 50.672,92.216 50.672,89.863 50.776,89.76 51.022,89.76 51.359,89.423 51.022,89.086 50.74,89.086 50.637,88.983 50.637,86.778 62.441,74.974 68.438,74.974 68.587,75.122 69.438,75.122 U6.37@69.475,75.159
ETH2_TX_N: J2.4 R25.1 U6.35 | length 30
  Top Layer w0.176: J2.4@54,94.25 53.804,94.054 53.804,93.365 53.111,92.672 53.111,91.391 53.615,90.887 53.615,89.863 53.511,89.76 53.245,89.76 52.908,89.423 53.22,89.112 53.492,89.112 53.595,89.008 53.595,85.654 63.242,76.007 68.856,76.007 68.868,75.996 69.438,75.996 U6.35@69.475,75.959
ETH2_TX_P: J2.3 R24.1 U6.34 | length 27.4
  Top Layer w0.176: J2.3@54,92.25 53.977,92.25 53.415,91.688 53.415,91.516 53.918,91.013 53.918,89.863 54.022,89.76 54.324,89.76 54.635,89.448 54.299,89.112 54.002,89.112 53.899,89.008 53.899,85.78 63.368,76.311 68.827,76.311 68.839,76.322 69.438,76.322 U6.34@69.475,76.359
ETH3_RX_N: J2.8 R27.1 U6.27 | length 29.2
  Top Layer w0.176: J2.8@58,94.25 57.804,94.054 57.804,93.365 57.125,92.685 57.125,91.403 57.293,91.235 57.293,90.757 56.871,90.336 56.871,89.889 56.768,89.785 56.522,89.785 56.185,89.448 56.522,89.112 56.748,89.112 56.851,89.008 56.851,87.634 56.847,87.63 56.847,86.735 63.821,79.76 72.403,79.76 73.023,79.14 73.023,78.907 73.012,78.895 73.012,78.296 U6.27@72.975,78.259
ETH3_RX_P: J2.7 R26.1 U6.26 | length 27.1
  Top Layer w0.176: J2.7@58,92.25 58,92.247 57.428,91.675 57.428,91.528 57.596,91.36 57.596,90.632 57.175,90.21 57.175,89.889 57.278,89.785 57.524,89.785 57.861,89.448 57.524,89.112 57.258,89.112 57.155,89.008 57.155,87.509 57.15,87.504 57.15,86.861 63.947,80.064 72.529,80.064 73.327,79.266 73.327,78.907 73.338,78.895 73.338,78.296 U6.26@73.375,78.259
ETH3_TX_N: J2.10 R29.1 U6.25 | length 27.7
  Top Layer w0.176: J2.10@60,94.25 59.804,94.054 59.804,93.365 59.131,92.692 59.131,91.396 60.097,90.43 60.097,89.889 59.994,89.785 59.747,89.785 59.411,89.448 59.747,89.112 59.982,89.112 60.085,89.008 60.085,86.164 65.549,80.7 72.991,80.7 73.823,79.868 73.823,78.907 73.812,78.895 73.812,78.303 U6.25@73.772,78.263
ETH3_TX_P: J2.9 R28.1 U6.24 | length 25.6
  Top Layer w0.176: J2.9@60,92.25 60,92.233 59.435,91.668 59.435,91.522 60.401,90.556 60.401,89.889 60.504,89.785 60.75,89.785 61.087,89.448 60.75,89.112 60.492,89.112 60.389,89.008 60.389,86.289 65.674,81.004 73.117,81.004 74.127,79.993 74.127,78.907 74.138,78.895 74.138,78.296 U6.24@74.175,78.259
ETH4_RX_N: J2.14 R31.1 U6.16 | length 27.8
  Top Layer w0.176: J2.14@64,94.25 63.804,94.054 63.804,93.365 63.119,92.68 63.119,91.408 63.323,91.204 63.323,89.889 63.22,89.785 62.973,89.785 62.636,89.448 62.973,89.112 63.216,89.112 63.319,89.008 63.319,86.41 68.139,81.589 76.126,81.589 77.289,80.426 77.289,78.915 77.338,78.866 77.338,78.296 U6.16@77.375,78.259
ETH4_RX_P: J2.13 R30.1 U6.15 | length 25.7
  Top Layer w0.176: J2.13@64,92.25 63.992,92.25 63.422,91.68 63.422,91.534 63.626,91.33 63.626,89.889 63.73,89.785 63.976,89.785 R30.1@64.313,89.448 63.976,89.112 63.726,89.112 63.623,89.008 63.623,86.535 68.265,81.893 76.252,81.893 77.593,80.552 77.593,79.041 77.738,78.895 77.738,78.296 U6.15@77.775,78.259
ETH4_TX_N: J2.16 R33.1 U6.13 | length 25.9
  Top Layer w0.176: J2.16@66,94.25 65.804,94.054 65.804,93.365 65.126,92.686 65.126,91.402 66.493,90.035 66.493,89.889 66.389,89.785 66.199,89.785 R33.1@65.862,89.448 66.199,89.112 66.449,89.112 66.552,89.008 66.552,87.393 71.289,82.656 76.736,82.656 78.623,80.769 78.623,78.907 78.612,78.895 78.612,78.296 U6.13@78.575,78.259
ETH4_TX_P: J2.15 R32.1 U6.12 | length 23.9
  Top Layer w0.176: J2.15@66,92.25 66,92.245 65.429,91.674 65.429,91.527 66.796,90.16 66.796,89.949 66.96,89.785 67.202,89.785 67.539,89.448 67.202,89.112 66.959,89.112 66.856,89.008 66.856,87.518 71.415,82.959 76.862,82.959 78.927,80.894 78.927,78.907 78.938,78.895 78.938,78.296 U6.12@78.975,78.259
ETH5_RX_N: J2.20 R35.1 U6.5 | length 25
  Top Layer w0.176: J2.20@70,94.25 69.804,94.054 69.804,93.365 69.113,92.674 69.113,91.414 69.774,90.753 69.774,89.889 69.671,89.785 69.425,89.785 69.088,89.448 69.425,89.112 69.683,89.112 69.786,89.008 69.786,87.181 73.321,83.647 77.69,83.647 81.514,79.822 81.514,79.077 81.756,78.835 81.756,78.278 U6.5@81.775,78.259
ETH5_RX_P: J2.19 R34.1 U6.4 | length 22.9
  Top Layer w0.176: J2.19@70,92.25 69.981,92.25 69.417,91.686 69.417,91.54 70.078,90.879 70.078,89.889 70.181,89.785 70.428,89.785 70.764,89.448 70.428,89.112 70.193,89.112 70.09,89.008 70.09,87.307 73.447,83.95 77.816,83.95 81.818,79.948 81.818,79.203 82.138,78.882 82.138,78.296 U6.4@82.175,78.259
ETH5_TX_N: J2.22 R37.1 U6.2 | length 24.5
  Top Layer w0.176: J2.22@72,94.25 71.804,94.054 71.804,93.365 71.12,92.681 71.12,91.407 72.213,90.315 72.722,90.315 73,90.036 73,89.889 72.897,89.785 72.651,89.785 72.314,89.448 72.651,89.112 72.917,89.112 73.02,89.008 73.02,86.462 74.82,84.663 78.274,84.663 83.012,79.925 83.012,78.296 U6.2@82.975,78.259